# Altium PCB DRS4-PCB.PcbDoc (part 6 of 15) (continued)
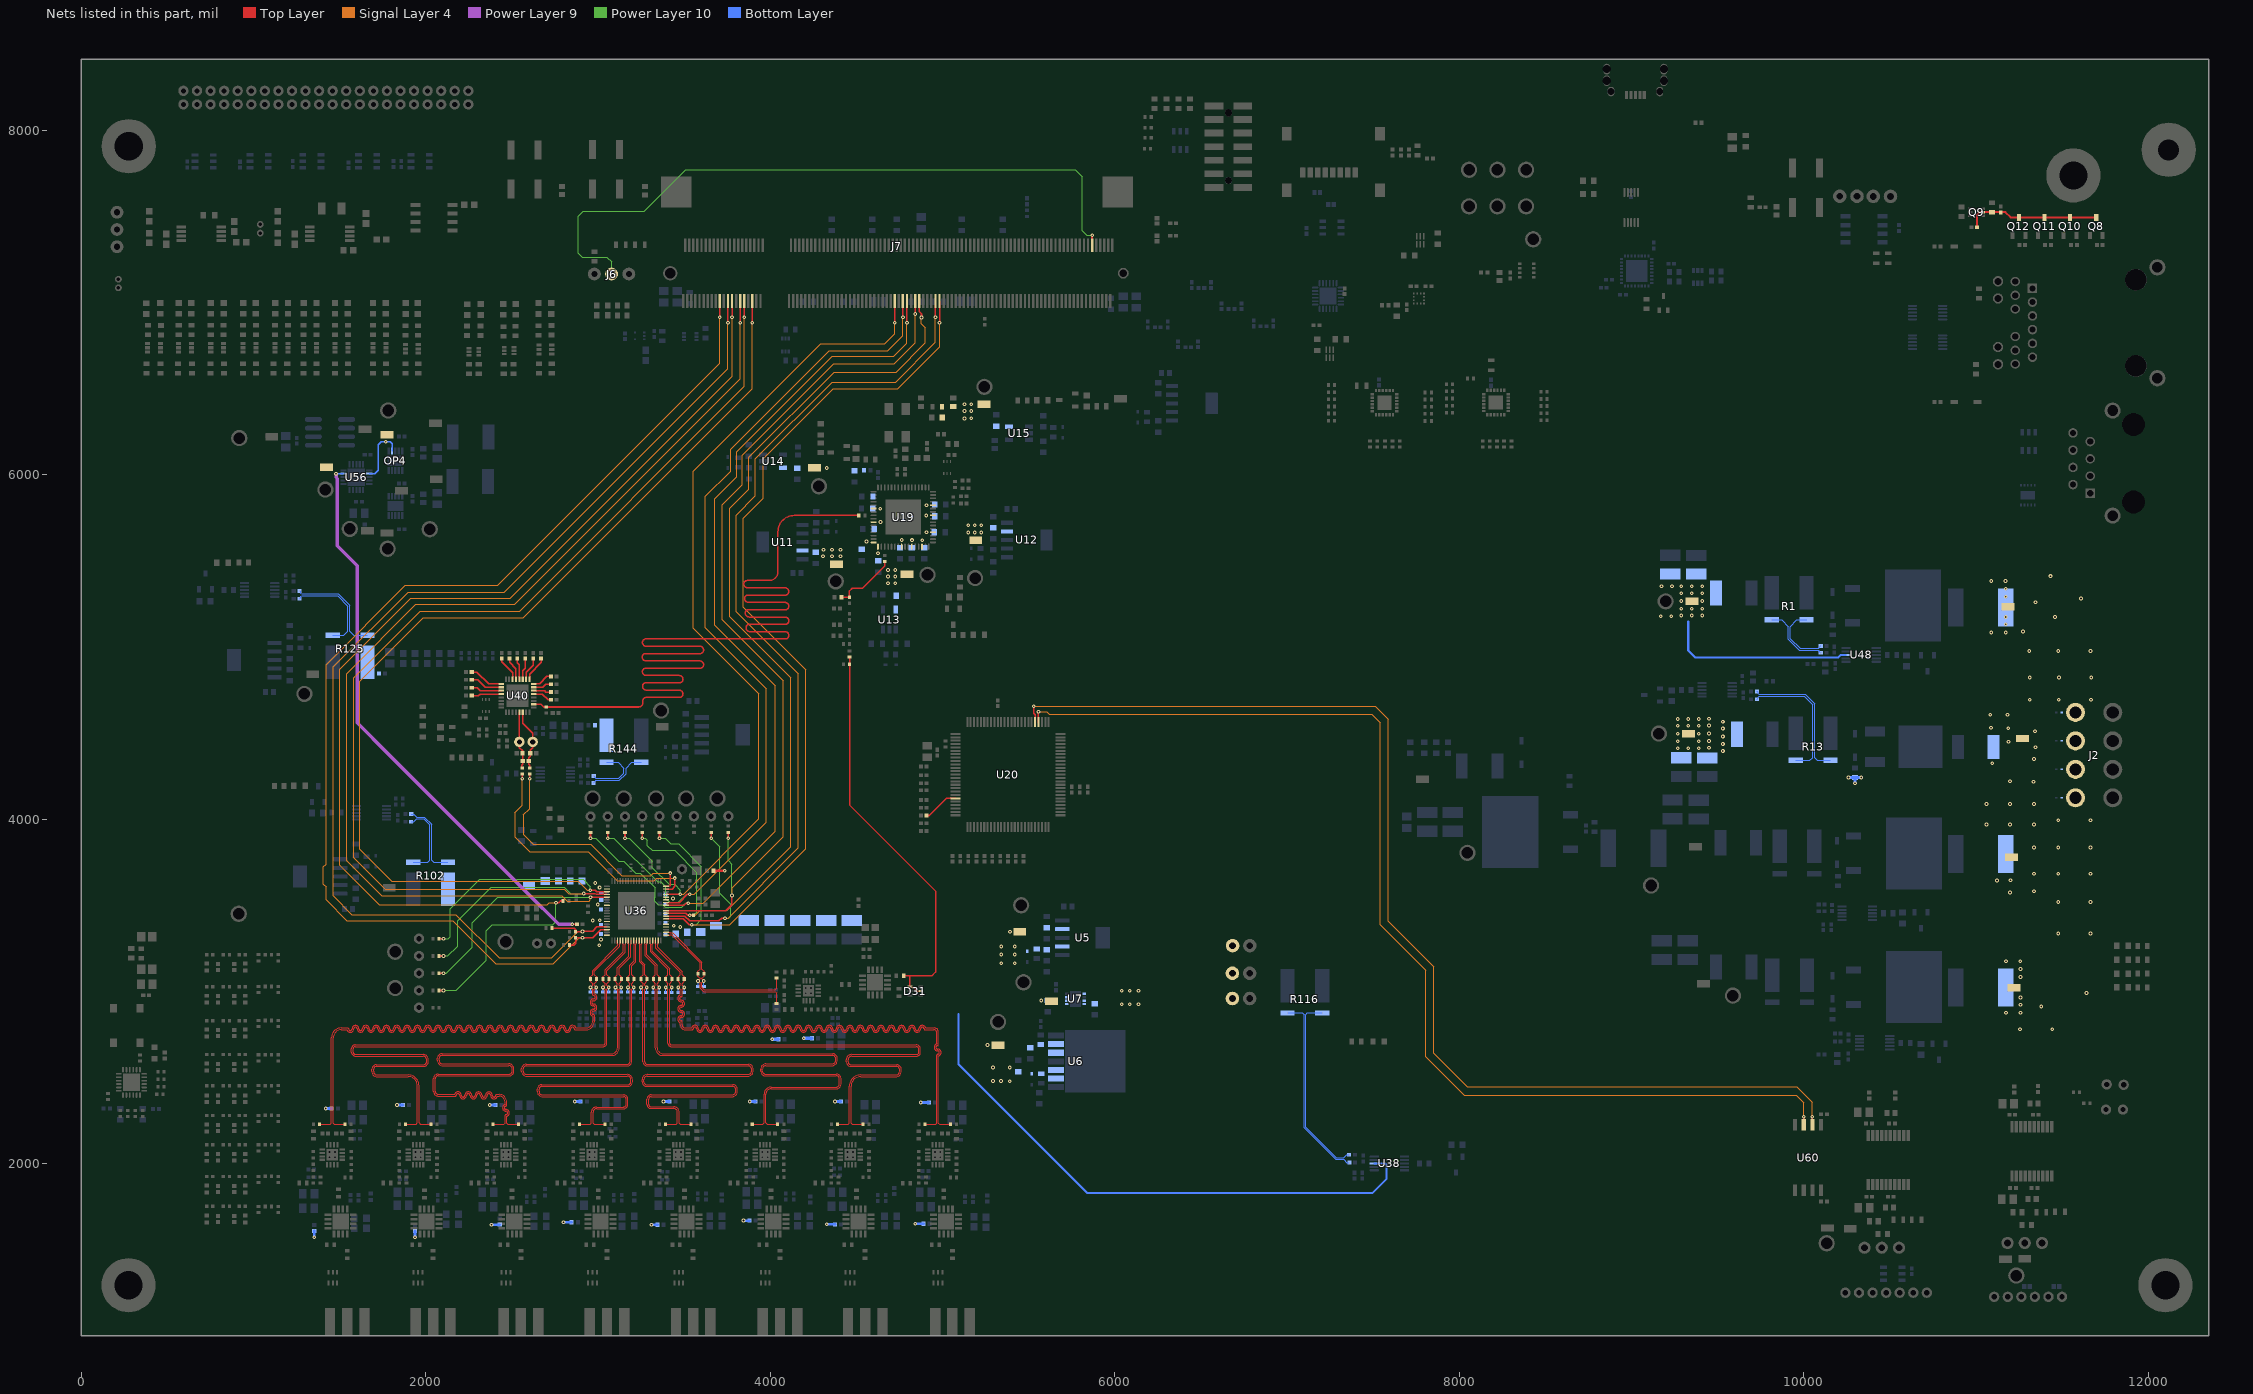
[diagram p16: the nets of this part, all layers, seen from the top]
## Nets (pads, with @x,y where several pads share a name; then routed paths per layer and width w, separated by ;. In a path a pad name is that pad's centre, name@x,y a point inside that pad or via, vN(x,y) a via of type N, cw(c..) or ccw(c..) an arc to the next point about the centre after c; other vN are vias at no path point) (continued)
  Signal Layer 4 w6.12: v1(2908.94,3348.39) 2884.25,3348.39 2730.63,3194.76 2425.91,3194.76 2174.05,3446.63 1570.56,3446.63 1462.94,3554.25 1462.94,4884.1 1896.43,5317.59 2454.78,5317.59 3753.68,6616.5 v1(3753.68,6881.89)
DRS4_IN0_N: R161A.2 R167A.2 R168.2 U36.4 | length 3537.9
  Top Layer w5: R161A.2@1530.79,2229.13 1467.13,2229.13 1461.52,2234.75 1461.52,2730.78 cw(c1508.7,2730.78) 1508.7,2777.96 1541.83,2777.96 ccw(c1561.2,2782.96) 1581.2,2782.96 cw(c1591.2,2782.96) 1601.2,2782.96 ccw(c1621.2,2782.96) 1641.2,2782.96 cw(c1651.2,2782.96) 1661.2,2782.96 ccw(c1681.2,2782.96) 1701.2,2782.96 cw(c1711.2,2782.96) 1721.2,2782.96 ccw(c1741.2,2782.96) 1761.2,2782.96 cw(c1771.2,2782.96) 1781.2,2782.96 ccw(c1801.2,2782.96) 1821.2,2782.96 cw(c1831.2,2782.96) 1841.2,2782.96 ccw(c1861.2,2782.96) 1881.2,2782.96 cw(c1891.2,2782.96) 1901.2,2782.96 ccw(c1921.2,2782.96) 1941.2,2782.96 cw(c1951.2,2782.96) 1961.2,2782.96 ccw(c1981.2,2782.96) 2001.2,2782.96 cw(c2011.2,2782.96) 2021.2,2782.96 ccw(c2041.2,2782.96) 2061.2,2782.96 cw(c2071.2,2782.96) 2081.2,2782.96 ccw(c2101.2,2782.96) 2121.2,2782.96 cw(c2131.2,2782.96) 2141.2,2782.96 ccw(c2161.2,2782.96) 2181.2,2782.96 cw(c2191.2,2782.96) 2201.2,2782.96 ccw(c2221.2,2782.96) 2241.2,2782.96 cw(c2251.2,2782.96) 2261.2,2782.96 ccw(c2281.2,2782.96) 2301.2,2782.96 cw(c2311.2,2782.96) 2321.2,2782.96 ccw(c2341.2,2782.96) 2361.2,2782.96 cw(c2371.2,2782.96) 2381.2,2782.96 ccw(c2401.2,2782.96) 2421.2,2782.96 cw(c2431.2,2782.96) 2441.2,2782.96 ccw(c2461.2,2782.96) 2481.2,2782.96 cw(c2491.2,2782.96) 2501.2,2782.96 ccw(c2521.2,2782.96) 2541.2,2782.96 cw(c2551.2,2782.96) 2561.2,2782.96 ccw(c2581.2,2782.96) 2601.2,2782.96 cw(c2611.2,2782.96) 2621.2,2782.96 ccw(c2641.2,2782.96) 2661.2,2782.96 cw(c2671.2,2782.96) 2681.2,2782.96 ccw(c2701.2,2782.96) 2721.2,2782.96 cw(c2731.2,2782.96) 2741.2,2782.96 ccw(c2761.2,2782.96) 2781.2,2782.96 cw(c2791.2,2782.96) 2801.2,2782.96 ccw(c2821.2,2782.96) 2841.2,2782.96 cw(c2851.2,2782.96) 2861.2,2782.96 ccw(c2866.2,2782.96) 2866.2,2777.96 2931,2777.96 ccw(c2931,2824.8) 2977.83,2824.8 2977.83,2861.47 ccw(c2972.83,2861.47) 2972.83,2866.47 cw(c2972.83,2876.47) 2972.83,2886.47 ccw(c2972.83,2906.47) 2992.83,2906.47 ccw(c2972.83,2906.47) 2972.83,2926.47 cw(c2972.83,2936.47) 2972.83,2946.47 ccw(c2972.83,2966.47) 2992.83,2966.47 ccw(c2972.83,2966.47) 2977.83,2985.84 2977.83,3011.69 v1(2989.76,3023.62) 2977.88,3035.5 2977.88,3046.16 2990.6,3058.88 R168.2@2990.6,3072.2 2990.6,3085.53 2977.88,3098.25 2977.88,3116.05 3125.17,3263.33 3125.17,3273.46 3128.04,3276.33 U36.4@3128.04,3296.55
  Bottom Layer w6.73: R167A.2@2989.75,2996.49 v1(2989.76,3023.62)
DRS4_IN0_P: R160A.2 R166A.2 R168.1 U36.3 | length 3532.3
  Top Layer w5: R160A.2@1382.24,2229.13 1445.9,2229.13 1451.52,2234.75 1451.52,2730.78 cw(c1508.7,2730.78) 1508.7,2787.96 1546.2,2787.96 cw(c1546.2,2782.96) 1551.2,2782.96 ccw(c1561.2,2782.96) 1571.2,2782.96 cw(c1591.2,2782.96) 1611.2,2782.96 ccw(c1621.2,2782.96) 1631.2,2782.96 cw(c1651.2,2782.96) 1671.2,2782.96 ccw(c1681.2,2782.96) 1691.2,2782.96 cw(c1711.2,2782.96) 1731.2,2782.96 ccw(c1741.2,2782.96) 1751.2,2782.96 cw(c1771.2,2782.96) 1791.2,2782.96 ccw(c1801.2,2782.96) 1811.2,2782.96 cw(c1831.2,2782.96) 1851.2,2782.96 ccw(c1861.2,2782.96) 1871.2,2782.96 cw(c1891.2,2782.96) 1911.2,2782.96 ccw(c1921.2,2782.96) 1931.2,2782.96 cw(c1951.2,2782.96) 1971.2,2782.96 ccw(c1981.2,2782.96) 1991.2,2782.96 cw(c2011.2,2782.96) 2031.2,2782.96 ccw(c2041.2,2782.96) 2051.2,2782.96 cw(c2071.2,2782.96) 2091.2,2782.96 ccw(c2101.2,2782.96) 2111.2,2782.96 cw(c2131.2,2782.96) 2151.2,2782.96 ccw(c2161.2,2782.96) 2171.2,2782.96 cw(c2191.2,2782.96) 2211.2,2782.96 ccw(c2221.2,2782.96) 2231.2,2782.96 cw(c2251.2,2782.96) 2271.2,2782.96 ccw(c2281.2,2782.96) 2291.2,2782.96 cw(c2311.2,2782.96) 2331.2,2782.96 ccw(c2341.2,2782.96) 2351.2,2782.96 cw(c2371.2,2782.96) 2391.2,2782.96 ccw(c2401.2,2782.96) 2411.2,2782.96 cw(c2431.2,2782.96) 2451.2,2782.96 ccw(c2461.2,2782.96) 2471.2,2782.96 cw(c2491.2,2782.96) 2511.2,2782.96 ccw(c2521.2,2782.96) 2531.2,2782.96 cw(c2551.2,2782.96) 2571.2,2782.96 ccw(c2581.2,2782.96) 2591.2,2782.96 cw(c2611.2,2782.96) 2631.2,2782.96 ccw(c2641.2,2782.96) 2651.2,2782.96 cw(c2671.2,2782.96) 2691.2,2782.96 ccw(c2701.2,2782.96) 2711.2,2782.96 cw(c2731.2,2782.96) 2751.2,2782.96 ccw(c2761.2,2782.96) 2771.2,2782.96 cw(c2791.2,2782.96) 2811.2,2782.96 ccw(c2821.2,2782.96) 2831.2,2782.96 cw(c2851.2,2782.96) 2870.56,2787.96 2926.86,2787.96 ccw(c2926.86,2828.94) 2967.83,2828.94 2967.83,2857.11 cw(c2972.83,2876.47) 2972.83,2896.47 ccw(c2972.83,2906.47) 2982.83,2906.47 ccw(c2972.83,2906.47) 2972.83,2916.47 cw(c2972.83,2936.47) 2972.83,2956.47 ccw(c2972.83,2966.47) 2982.83,2966.47 ccw(c2972.83,2966.47) 2972.83,2976.47 cw(c2972.83,2981.47) 2967.83,2981.47 2967.83,3011.69 v1(2955.91,3023.62) 2967.88,3035.6 2967.88,3046.16 2955.17,3058.88 R168.1@2955.17,3072.2 2955.17,3085.53 2967.88,3098.25 2967.88,3120.19 3115.17,3267.47 3115.17,3273.46 3112.29,3276.33 U36.3@3112.29,3296.55
  Bottom Layer w6.73: R166A.2@2955.9,2996.31 v1@2955.9,3019.58
DRS4_IN1_N: R161B.2 R167B.2 R169.2 U36.6 | length 3625.1
  Top Layer w5: 1589.72,2679.63 ccw(c1589.72,2667.18) 1577.27,2667.18 1577.27,2648.49 ccw(c1591.45,2648.49) 1591.45,2634.31 1983.78,2634.31 cw(c1983.78,2604.28) 2013.8,2604.28 2013.8,2592.24 cw(c1986.47,2592.24) 1986.47,2564.91 1713.23,2564.91 ccw(c1713.23,2547.57) 1695.9,2547.57 1695.9,2535.53 ccw(c1715.92,2535.53) 1715.92,2515.51 1898.52,2515.51 cw(c1898.52,2453.73) 1960.3,2453.73 1960.3,2236.73 1967.89,2229.13 R161B.2@2029.61,2229.13 ; 1590.27,2679.63 3029.79,2679.63 ccw(c3029.79,2700.08) 3050.24,2700.08 3050.24,3011.69 v1(3062.17,3023.62) 3050.36,3035.43 3050.36,3046.16 3063.07,3058.88 R169.2@3063.07,3072.2 3063.07,3085.53 3050.24,3098.37 3050.24,3120.83 3156.66,3227.25 3156.66,3273.46 3159.54,3276.33 U36.6@3159.54,3296.55
  Bottom Layer w6.73: R167B.2@3062.16,2996.09 v1@3062.16,3019.36
DRS4_IN1_P: R160B.2 R166B.2 R169.1 U36.5 | length 3625.1
  Top Layer w5: 1589.72,2689.63 ccw(c1589.72,2667.18) 1567.27,2667.18 1567.27,2648.49 ccw(c1591.45,2648.49) 1591.45,2624.31 1983.78,2624.31 cw(c1983.78,2604.28) 2003.8,2604.28 2003.8,2592.24 cw(c1986.47,2592.24) 1986.47,2574.91 1713.23,2574.91 ccw(c1713.23,2547.57) 1685.9,2547.57 1685.9,2535.53 ccw(c1715.92,2535.53) 1715.92,2505.51 1898.52,2505.51 cw(c1898.52,2453.73) 1950.3,2453.73 1950.3,2236.73 1942.7,2229.13 R160B.2@1880.98,2229.13 ; 1590.27,2689.63 3029.79,2689.63 ccw(c3029.79,2700.08) 3040.24,2700.08 3040.24,3011.69 v1(3028.31,3023.62) 3040.36,3035.67 3040.36,3046.16 3027.64,3058.88 R169.1@3027.64,3072.2 3027.64,3085.53 3040.24,3098.13 3040.24,3124.97 3056.06,3140.8 3146.66,3231.39 3146.66,3273.46 3143.79,3276.33 U36.5@3143.79,3296.55
  Bottom Layer w6.73: R166B.2@3028.3,2996.09 v1@3028.3,3019.36
DRS4_IN2_N: R161C.2 R167C.2 R184.2 U36.8 | length 3630.9
  Top Layer w5: 2483.35,2510.15 2071.31,2510.15 ccw(c2071.31,2492.82) 2053.98,2492.82 2053.98,2421.81 ccw(c2074,2421.81) 2074,2401.79 2166.61,2401.79 cw(c2185.98,2396.79) 2205.98,2396.79 ccw(c2215.98,2396.79) 2225.98,2396.79 cw(c2245.98,2396.79) 2265.98,2396.79 ccw(c2275.98,2396.79) 2285.98,2396.79 cw(c2305.98,2396.79) 2325.98,2396.79 ccw(c2335.98,2396.79) 2345.98,2396.79 cw(c2365.98,2396.79) 2385.98,2396.79 ccw(c2395.98,2396.79) 2405.98,2396.79 cw(c2410.98,2396.79) 2410.98,2401.79 2426.8,2401.79 cw(c2426.8,2358.98) 2469.61,2358.98 2469.61,2340 cw(c2464.61,2340) 2464.61,2335 ccw(c2464.61,2325) 2464.61,2315 cw(c2464.61,2295) 2484.61,2295 cw(c2464.61,2295) 2469.61,2275.64 2469.61,2235.87 2476.07,2229.41 R161C.2@2538.78,2229.41 ; 2483.82,2510.15 ccw(c2483.82,2537.49) 2511.15,2537.49 2511.15,2549.53 ccw(c2481.13,2549.53) 2481.13,2579.55 2096.77,2579.55 cw(c2096.77,2599.57) 2076.75,2599.57 2076.75,2611.61 cw(c2094.08,2611.61) 2094.08,2628.95 3080.36,2628.95 ccw(c3080.36,2671.23) 3122.64,2671.23 ; 3122.64,2672.18 3122.64,3012.8 3133.46,3023.62 3121.81,3035.28 3121.81,3046.16 3134.52,3058.88 R184.2@3134.52,3072.2 3134.52,3085.53 3121.81,3098.25 3121.81,3134.36 3188.16,3200.71 3188.16,3273.46 3191.03,3276.33 U36.8@3191.03,3296.55
  Bottom Layer w6.73: R167C.2@3134.56,2996.09 v1@3134.56,3019.36
  other v1: 3134.57,3023.62
DRS4_IN2_P: R160C.2 R166C.2 R184.1 U36.7 | length 3635.6
  Top Layer w5: R160C.2@2390.43,2229.13 2452.87,2229.13 2459.61,2235.87 2459.61,2280 cw(c2464.61,2280) 2464.61,2285 ccw(c2464.61,2295) 2474.61,2295 ccw(c2464.61,2295) 2464.61,2305 cw(c2464.61,2325) 2459.61,2344.37 2459.61,2358.98 ccw(c2426.8,2358.98) 2426.8,2391.79 2415.34,2391.79 cw(c2395.98,2396.79) 2375.98,2396.79 ccw(c2365.98,2396.79) 2355.98,2396.79 cw(c2335.98,2396.79) 2315.98,2396.79 ccw(c2305.98,2396.79) 2295.98,2396.79 cw(c2275.98,2396.79) 2255.98,2396.79 ccw(c2245.98,2396.79) 2235.98,2396.79 cw(c2215.98,2396.79) 2195.98,2396.79 ccw(c2185.98,2396.79) 2175.98,2396.79 cw(c2170.98,2396.79) 2170.98,2391.79 2074,2391.79 cw(c2074,2421.81) 2043.98,2421.81 2043.98,2492.82 cw(c2071.31,2492.82) 2071.31,2520.15 2483.82,2520.15 ccw(c2483.82,2537.49) 2501.15,2537.49 2501.15,2549.53 ccw(c2481.13,2549.53) 2481.13,2569.55 2096.77,2569.55 cw(c2096.77,2599.57) 2066.75,2599.57 2066.75,2611.61 cw(c2094.08,2611.61) 2094.08,2638.95 3077.53,2638.95 ccw(c3077.53,2674.06) 3112.64,2674.06 3112.64,3011.69 v1(3100.71,3023.62) 3111.81,3034.72 3111.81,3046.16 3099.09,3058.88 R184.1@3099.09,3072.2 3099.09,3085.53 3111.81,3098.25 3111.81,3138.5 3123.22,3149.92 3178.16,3204.85 3178.16,3273.46 3175.28,3276.33 U36.7@3175.28,3296.55
  Bottom Layer w6.73: R166C.2@3100.7,2996.17 v1(3100.71,3023.62)
DRS4_IN3_N: R161D.2 R167D.2 R185.2 U36.10 | length 3617.7
  Top Layer w5: 2676.76,2399.37 cw(c2676.76,2419.4) 2656.74,2419.4 2656.74,2431.44 cw(c2674.07,2431.44) 2673.99,2448.77 3172.45,2448.77 ccw(c3172.45,2476.11) 3199.79,2476.11 3199.79,2488.15 ccw(c3169.76,2488.15) 3169.76,2518.17 2584.5,2518.17 cw(c2584.5,2538.19) 2564.48,2538.19 2564.48,2550.23 cw(c2581.81,2550.23) 2581.81,2567.57 3169.75,2567.57 ccw(c3169.75,2592.86) 3195.04,2592.86 3195.04,3011.69 v1(3206.97,3023.62) 3194.7,3035.89 3194.7,3046.16 3207.41,3058.88 R185.2@3207.41,3072.2 3207.41,3085.53 3194.7,3098.25 3194.7,3147.96 3219.65,3172.91 3219.65,3273.46 3222.53,3276.33 U36.10@3222.53,3296.55 ; 2677.27,2399.37 3147.36,2399.37 cw(c3147.36,2374.22) 3172.52,2374.22 3172.52,2344.32 cw(c3147.36,2344.32) 3147.36,2319.17 2990.62,2319.17 ccw(c2990.62,2299.22) 2970.67,2299.22 2970.67,2235.03 2976.57,2229.13 R161D.2@3040.75,2229.13
  Bottom Layer w6.73: R167D.2@3206.96,2996.09 v1@3206.96,3019.36
DRS4_IN3_P: R160D.2 R166D.2 R185.1 U36.9 | length 3619.5
  Top Layer w5: 2581.81,2508.17 2584.5,2508.17 ; 2674,2458.77 3171.85,2458.77 ; 2674.06,2458.77 ccw(c2674.07,2431.44) 2646.74,2431.44 2646.74,2419.4 ccw(c2676.76,2419.4) 2676.76,2389.37 ; 2677.41,2389.37 3147.36,2389.37 cw(c3147.36,2374.22) 3162.52,2374.22 3162.52,2344.32 cw(c3147.36,2344.32) 3147.36,2329.17 2990.62,2329.17 ccw(c2990.62,2299.22) 2960.67,2299.22 2960.67,2235.03 2954.77,2229.13 R160D.2@2890.59,2229.13 ; 3172.45,2458.77 ccw(c3172.45,2476.11) 3189.79,2476.11 3189.79,2488.15 ccw(c3169.76,2488.15) 3169.76,2508.17 2584.5,2508.17 ; U36.9@3206.78,3296.55 3206.78,3276.33 3209.65,3273.46 3209.65,3177.06 3192.2,3159.61 3184.7,3152.1 3184.7,3098.25 3171.98,3085.53 R185.1@3171.98,3072.2 3171.98,3058.88 3184.7,3046.16 3184.7,3035.21 v1(3173.11,3023.62) 3185.04,3011.69 3185.04,2592.86 cw(c3169.75,2592.86) 3169.75,2577.57 2581.81,2577.57 ccw(c2581.81,2550.23) 2554.48,2550.23 2554.48,2538.19 ccw(c2584.5,2538.19) 2584.5,2508.17
  Bottom Layer w6.73: R166D.2@3173.1,2996.09 v1@3173.1,3019.36
DRS4_IN4_N: R161E.2 R167E.2 R345.2 U36.12 | length 3591.5
  Top Layer w5: U36.12@3254.02,3296.55 3254.02,3276.33 3251.15,3273.46 3251.15,3175.74 3270.47,3156.42 3270.47,3098.25 3283.18,3085.53 R345.2@3283.18,3072.2 3283.18,3058.88 3270.47,3046.16 3270.47,3035.08 v1(3281.93,3023.62) 3270,3011.69 3270,2592.86 ccw(c3285.29,2592.86) 3285.29,2577.57 3873.23,2577.57 cw(c3873.23,2550.23) 3900.56,2550.23 3900.56,2538.19 cw(c3870.54,2538.19) 3870.54,2508.17 ; 3282.59,2458.77 cw(c3282.59,2476.11) 3265.25,2476.11 3265.25,2488.15 cw(c3285.28,2488.15) 3285.28,2508.17 3870.54,2508.17 ; 3283.19,2458.77 3781.04,2458.77 ; R161E.2@3539.41,2229.13 3476.5,2229.13 3470.24,2235.4 3470.24,2299.96 ccw(c3439.62,2299.96) 3439.62,2330.58 3307.67,2330.58 cw(c3307.67,2345.73) 3292.52,2345.73 3292.52,2374.22 cw(c3307.67,2374.22) 3307.67,2389.37 3777.63,2389.37 ; 3778.28,2389.37 ccw(c3778.28,2419.4) 3808.3,2419.4 3808.3,2431.44 ccw(c3780.97,2431.44) 3780.98,2458.77 ; 3873.23,2508.17 3870.54,2508.17
  Bottom Layer w6.73: R167E.2@3281.92,2994.01 v1@3281.92,3017.27
DRS4_IN4_P: R160E.2 R166E.2 R345.1 U36.11 | length 3589.8
  Top Layer w5: U36.11@3238.28,3296.55 3238.28,3276.33 3241.15,3273.46 3241.15,3171.6 3260.47,3152.28 3260.47,3098.25 3247.75,3085.53 R345.1@3247.75,3072.2 3247.75,3058.88 3260.47,3046.16 3260.47,3035.62 v1(3248.46,3023.62) ; v1@3248.07,3023.62 3260,3011.69 3260,2592.86 ccw(c3285.29,2592.86) 3285.29,2567.57 3873.23,2567.57 cw(c3873.23,2550.23) 3890.56,2550.23 3890.56,2538.19 cw(c3870.54,2538.19) 3870.54,2518.17 3285.28,2518.17 ccw(c3285.28,2488.15) 3255.25,2488.15 3255.25,2476.11 ccw(c3282.59,2476.11) 3282.59,2448.77 3781.04,2448.77 cw(c3780.97,2431.44) 3798.3,2431.44 3798.3,2419.4 cw(c3778.28,2419.4) 3778.28,2399.37 ; R160E.2@3391.06,2229.13 3453.97,2229.13 3460.24,2235.4 3460.24,2299.96 ccw(c3439.62,2299.96) 3439.62,2320.58 3307.67,2320.58 cw(c3307.67,2345.73) 3282.52,2345.73 3282.52,2374.22 cw(c3307.67,2374.22) 3307.67,2399.37 3777.77,2399.37
  Bottom Layer w6.73: R166E.2@3248.46,2995.23 v1@3248.46,3018.5
DRS4_IN5_N: R161F.2 R167F.2 R346.2 U36.14 | length 3487.1
  Top Layer w5: U36.14@3285.52,3296.55 3285.52,3276.33 3282.65,3273.46 3282.65,3212.67 3342.8,3152.52 3342.8,3098.25 3355.51,3085.53 R346.2@3355.51,3072.2 3355.51,3058.88 3342.8,3046.16 3342.8,3035.16 v1(3354.33,3023.62) 3342.4,3011.69 3342.4,2674.06 ccw(c3377.51,2674.06) 3377.51,2638.95 4360.95,2638.95 cw(c4360.95,2611.61) 4388.29,2611.61 4388.29,2599.57 cw(c4358.27,2599.57) 4358.27,2569.55 3973.91,2569.55 ccw(c3973.91,2549.53) 3953.89,2549.53 3953.89,2537.49 ccw(c3971.22,2537.49) 3971.22,2520.15 ; 3971.79,2520.15 4383.73,2520.15 cw(c4383.73,2492.82) 4411.06,2492.82 4411.06,2464.99 cw(c4381.04,2464.99) 4381.04,2434.97 4005.24,2434.97 ccw(c4005.24,2403.25) 3973.52,2403.25 3973.52,2236.75 3981.14,2229.13 R161F.2@4042.48,2229.13
  Bottom Layer w6.73: R167F.2@3354.32,2995.23 v1(3354.33,3023.62)
DRS4_IN5_P: R160F.2 R166F.2 R346.1 U36.13 | length 3483.2
  Top Layer w5: U36.13@3269.77,3296.55 3269.77,3276.33 3272.65,3273.46 3272.65,3208.53 3332.8,3148.38 3332.8,3098.25 3320.08,3085.53 R346.1@3320.08,3072.2 3320.08,3058.88 3332.8,3046.16 3332.8,3035.95 v1(3320.47,3023.62) ; v1@3321.58,3023.62 3332.4,3012.8 3332.4,2672.18 ; 3332.4,2671.23 ccw(c3374.68,2671.23) 3374.68,2628.95 4360.95,2628.95 cw(c4360.95,2611.61) 4378.29,2611.61 4378.29,2599.57 cw(c4358.27,2599.57) 4358.27,2579.55 3973.91,2579.55 ccw(c3973.91,2549.53) 3943.89,2549.53 3943.89,2537.49 ccw(c3971.22,2537.49) 3971.22,2510.15 ; 3332.4,2673.09 3332.4,2674.06 ; R160F.2@3894.57,2229.13 3955.9,2229.13 3963.52,2236.75 3963.52,2403.25 cw(c4005.24,2403.25) 4005.24,2444.97 4381.04,2444.97 ccw(c4381.04,2464.99) 4401.06,2464.99 4401.06,2492.82 ccw(c4383.73,2492.82) 4383.73,2510.15 3971.69,2510.15
  Bottom Layer w6.73: R166F.2@3320.46,2994.01 v1@3320.46,3017.27
DRS4_IN6_N: R161G.2 R167G.2 R347.2 U36.16 | length 3609
  Top Layer w5: U36.16@3317.02,3296.55 3317.02,3276.33 3314.14,3273.46 3314.14,3233.33 3414.92,3132.55 3414.92,3098.25 3427.64,3085.53 R347.2@3427.64,3072.2 3427.64,3058.88 3414.92,3046.16 3414.92,3035.43 v1(3426.73,3023.62) 3414.8,3011.69 3414.8,2700.07 ccw(c3425.25,2700.07) 3425.25,2689.63 4846.84,2689.63 ; R161G.2@4537.28,2229.13 4473.89,2229.13 4468.33,2234.7 4468.33,2449.32 cw(c4524.51,2449.32) 4524.51,2505.5 4729.62,2505.5 ; 4732.31,2505.5 4729.62,2505.5 ; 4847.03,2689.63 cw(c4847.03,2665.44) 4871.22,2665.44 4871.22,2646.75 cw(c4848.76,2646.75) 4848.76,2624.3 4471.26,2624.3 ccw(c4471.26,2604.27) 4451.24,2604.27 4451.24,2592.23 ccw(c4468.57,2592.23) 4468.57,2574.9 4732.31,2574.9 cw(c4732.31,2547.56) 4759.65,2547.56 4759.65,2535.52 cw(c4729.62,2535.52) 4729.62,2505.5
  Bottom Layer w6.73: R167G.2@3426.72,2994.01 v1@3426.72,3017.27
DRS4_IN6_P: R160G.2 R166G.2 R347.1 U36.15 | length 3612.3
  Top Layer w5: U36.15@3301.27,3296.55 3301.27,3276.33 3304.14,3273.46 3304.14,3229.18 3404.92,3128.41 3404.92,3098.25 3392.2,3085.53 R347.1@3392.2,3072.2 3392.2,3058.88 3404.92,3046.16 3404.92,3035.67 v1(3392.87,3023.62) 3404.8,3011.69 3404.8,2700.07 ccw(c3425.25,2700.07) 3425.25,2679.63 4846.84,2679.63 ; R160G.2@4389.37,2229.13 4452.76,2229.13 4458.33,2234.7 4458.33,2449.32 ; 4847.03,2679.63 cw(c4847.03,2665.44) 4861.22,2665.44 4861.22,2646.75 cw(c4848.76,2646.75) 4848.76,2634.3 4471.26,2634.3 ccw(c4471.26,2604.27) 4441.24,2604.27 4441.24,2592.23 ccw(c4468.57,2592.23) 4468.57,2564.9 4732.31,2564.9 cw(c4732.31,2547.56) 4749.65,2547.56 4749.65,2535.52 cw(c4729.62,2535.52) 4729.62,2515.5 4524.51,2515.5 ccw(c4524.51,2449.32) 4458.33,2450.05 ; 4458.33,2449.32 cw(c4524.51,2449.32) 4458.33,2450.05 ; 4458.33,2449.32 4458.33,2450.05
  Bottom Layer w6.73: R166G.2@3392.86,2995.23 v1(3392.87,3023.62)
DRS4_IN7_N: R161H.2 R167H.2 R348.2 U36.18 | length 3597.4
  Top Layer w5: U36.18@3348.51,3296.55 3348.51,3276.33 3345.64,3273.46 3345.64,3255.69 3487.05,3114.28 3487.05,3098.25 3499.77,3085.53 R348.2@3499.77,3072.2 3499.77,3058.88 3487.05,3046.16 3487.05,3035.7 v1(3499.13,3023.62) 3487.2,3011.69 3487.2,2974.19 cw(c3482.2,2974.19) 3482.2,2969.19 ccw(c3482.2,2959.19) 3482.2,2949.19 cw(c3482.2,2929.19) 3502.2,2929.19 cw(c3482.2,2929.19) 3482.2,2909.19 ccw(c3482.2,2899.19) 3482.2,2889.19 cw(c3482.2,2869.19) 3502.2,2869.19 cw(c3482.2,2869.19) 3482.2,2849.19 ccw(c3482.2,2839.19) 3482.2,2829.19 cw(c3482.2,2824.19) 3487.2,2824.19 3487.2,2807.6 ccw(c3506.85,2807.6) 3506.85,2787.95 3542.47,2787.95 ; 3542.47,2787.95 cw(c3561.84,2782.95) 3581.84,2782.95 ccw(c3591.84,2782.95) 3601.84,2782.95 cw(c3621.84,2782.95) 3641.84,2782.95 ccw(c3651.84,2782.95) 3661.84,2782.95 cw(c3681.84,2782.95) 3701.84,2782.95 ccw(c3711.84,2782.95) 3721.84,2782.95 cw(c3741.84,2782.95) 3761.84,2782.95 ccw(c3771.84,2782.95) 3781.84,2782.95 cw(c3801.84,2782.95) 3821.84,2782.95 ccw(c3831.84,2782.95) 3841.84,2782.95 cw(c3861.84,2782.95) 3881.84,2782.95 ccw(c3891.84,2782.95) 3901.84,2782.95 cw(c3921.84,2782.95) 3941.84,2782.95 ccw(c3951.84,2782.95) 3961.84,2782.95 cw(c3981.84,2782.95) 4001.84,2782.95 ccw(c4011.84,2782.95) 4021.84,2782.95 cw(c4041.84,2782.95) 4061.84,2782.95 ccw(c4071.84,2782.95) 4081.84,2782.95 cw(c4101.84,2782.95) 4121.84,2782.95 ccw(c4131.84,2782.95) 4141.84,2782.95 cw(c4161.84,2782.95) 4181.84,2782.95 ccw(c4191.84,2782.95) 4201.84,2782.95 cw(c4221.84,2782.95) 4241.84,2782.95 ccw(c4251.84,2782.95) 4261.84,2782.95 cw(c4281.84,2782.95) 4301.84,2782.95 ccw(c4311.84,2782.95) 4321.84,2782.95 cw(c4341.84,2782.95) 4361.84,2782.95 ccw(c4371.84,2782.95) 4381.84,2782.95 cw(c4401.84,2782.95) 4421.84,2782.95 ccw(c4431.84,2782.95) 4441.84,2782.95 cw(c4461.84,2782.95) 4481.84,2782.95 ccw(c4491.84,2782.95) 4501.84,2782.95 cw(c4521.84,2782.95) 4541.84,2782.95 ccw(c4551.84,2782.95) 4561.84,2782.95 cw(c4581.84,2782.95) 4601.84,2782.95 ccw(c4611.84,2782.95) 4621.84,2782.95 cw(c4641.84,2782.95) 4661.84,2782.95 ccw(c4671.84,2782.95) 4681.84,2782.95 cw(c4701.84,2782.95) 4721.84,2782.95 ccw(c4731.84,2782.95) 4741.84,2782.95 cw(c4761.84,2782.95) 4781.84,2782.95 ccw(c4791.84,2782.95) 4801.84,2782.95 cw(c4821.84,2782.95) 4841.84,2782.95 ccw(c4851.84,2782.95) 4861.84,2782.95 cw(c4881.84,2782.95) 4901.2,2787.95 4952.32,2787.95 cw(c4952.32,2764.43) 4975.85,2764.43 4975.85,2731.66 4975.85,2690.59 cw(c4970.85,2690.59) 4970.85,2685.59 ccw(c4970.85,2675.59) 4970.85,2665.59 cw(c4970.85,2645.59) 4990.85,2645.59 cw(c4970.85,2645.59) 4975.85,2626.23 4975.85,2235.01 4981.72,2229.13 R161H.2@5044.8,2229.13
  Bottom Layer w6.73: R167H.2@3499.12,2995.23 v1(3499.13,3023.62)
DRS4_IN7_P: R160H.2 R166H.2 R348.1 U36.17 | length 3597.3
  Top Layer w5: U36.17@3332.76,3296.55 3332.76,3276.33 3335.64,3273.46 3335.64,3251.55 3477.05,3110.13 3477.05,3098.25 3464.33,3085.53 R348.1@3464.33,3072.2 3464.33,3058.88 3477.05,3046.16 3477.05,3035.4 v1(3465.28,3023.62) 3477.2,3011.69 3477.2,2978.56 ccw(c3482.2,2959.19) 3482.2,2939.19 cw(c3482.2,2929.19) 3492.2,2929.19 cw(c3482.2,2929.19) 3482.2,2919.19 ccw(c3482.2,2899.19) 3482.2,2879.19 cw(c3482.2,2869.19) 3492.2,2869.19 cw(c3482.2,2869.19) 3482.2,2859.19 ccw(c3482.2,2839.19) 3477.2,2819.83 3477.2,2803.46 ccw(c3502.7,2803.46) 3502.7,2777.95 3546.84,2777.95 ccw(c3546.84,2782.95) 3551.84,2782.95 cw(c3561.84,2782.95) 3571.84,2782.95 ccw(c3591.84,2782.95) 3611.84,2782.95 cw(c3621.84,2782.95) 3631.84,2782.95 ccw(c3651.84,2782.95) 3671.84,2782.95 cw(c3681.84,2782.95) 3691.84,2782.95 ccw(c3711.84,2782.95) 3731.84,2782.95 cw(c3741.84,2782.95) 3751.84,2782.95 ccw(c3771.84,2782.95) 3791.84,2782.95 cw(c3801.84,2782.95) 3811.84,2782.95 ccw(c3831.84,2782.95) 3851.84,2782.95 cw(c3861.84,2782.95) 3871.84,2782.95 ccw(c3891.84,2782.95) 3911.84,2782.95 cw(c3921.84,2782.95) 3931.84,2782.95 ccw(c3951.84,2782.95) 3971.84,2782.95 cw(c3981.84,2782.95) 3991.84,2782.95 ccw(c4011.84,2782.95) 4031.84,2782.95 cw(c4041.84,2782.95) 4051.84,2782.95 ccw(c4071.84,2782.95) 4091.84,2782.95 cw(c4101.84,2782.95) 4111.84,2782.95 ccw(c4131.84,2782.95) 4151.84,2782.95 cw(c4161.84,2782.95) 4171.84,2782.95 ccw(c4191.84,2782.95) 4211.84,2782.95 cw(c4221.84,2782.95) 4231.84,2782.95 ccw(c4251.84,2782.95) 4271.84,2782.95 cw(c4281.84,2782.95) 4291.84,2782.95 ccw(c4311.84,2782.95) 4331.84,2782.95 cw(c4341.84,2782.95) 4351.84,2782.95 ccw(c4371.84,2782.95) 4391.84,2782.95 cw(c4401.84,2782.95) 4411.84,2782.95 ccw(c4431.84,2782.95) 4451.84,2782.95 cw(c4461.84,2782.95) 4471.84,2782.95 ccw(c4491.84,2782.95) 4511.84,2782.95 cw(c4521.84,2782.95) 4531.84,2782.95 ccw(c4551.84,2782.95) 4571.84,2782.95 cw(c4581.84,2782.95) 4591.84,2782.95 ccw(c4611.84,2782.95) 4631.84,2782.95 cw(c4641.84,2782.95) 4651.84,2782.95 ccw(c4671.84,2782.95) 4691.84,2782.95 cw(c4701.84,2782.95) 4711.84,2782.95 ccw(c4731.84,2782.95) 4751.84,2782.95 cw(c4761.84,2782.95) 4771.84,2782.95 ccw(c4791.84,2782.95) 4811.84,2782.95 cw(c4821.84,2782.95) 4831.84,2782.95 ccw(c4851.84,2782.95) 4871.84,2782.95 cw(c4881.84,2782.95) 4891.84,2782.95 ccw(c4896.84,2782.95) 4896.84,2777.95 4948.18,2777.95 cw(c4948.18,2760.29) 4965.85,2760.29 4965.85,2731.66 4965.85,2694.96 ccw(c4970.85,2675.59) 4970.85,2655.59 cw(c4970.85,2645.59) 4980.85,2645.59 cw(c4970.85,2645.59) 4970.85,2635.59 ccw(c4970.85,2630.59) 4965.85,2630.59 4965.85,2235.01 4959.97,2229.13 R160H.2@4896.89,2229.13
  Bottom Layer w6.73: R166H.2@3465.27,2995.23 v1(3465.28,3023.62)
DRS4_IN8_N: R176.2 R183.2 R349.2 U36.21 | length 970.9
  Top Layer w5: U36.21@3394.77,3342.81 3414.99,3342.81 3417.86,3339.93 3432.48,3339.93 3602.14,3170.27 3602.14,3151.7 3602.14,3128.71 3614.86,3115.99 R349.2@3614.86,3102.66 3614.86,3089.34 3602.14,3076.62 3602.14,3072.47 v1(3613.6,3061.01) 3601.88,3049.3 3601.88,3024.01 3616.26,3009.63 4027.82,3009.63 4035.63,3017.45 R176.2@4035.63,3078.1
  Bottom Layer w6.73: R183.2@3613.59,3032.62 v1@3613.59,3054.67
DRS4_IN8_P: R175.2 R182.2 R349.1 U36.20 | length 971.1
  Top Layer w5: U36.20@3394.77,3327.06 3414.99,3327.06 3417.86,3329.93 3428.34,3329.93 3592.14,3166.13 3592.14,3128.71 3579.42,3115.99 R349.1@3579.42,3102.66 3579.42,3089.34 3592.14,3076.62 3592.14,3072.98 v1(3580.17,3061.01) 3591.88,3049.3 3591.88,3019.87 3612.12,2999.63 4027.82,2999.63 4035.63,2991.82 R175.2@4035.63,2931.17
  Bottom Layer w6.73: R182.2@3580.16,3032.62 v1@3580.16,3054.67
DRS4_OUT8_N: R127.1 U36.38 | length 1410.9
  Top Layer w7.8: v1@2602.34,4243.27 R127.1@2602.34,4262.72 ; U36.38@3394.77,3610.52 3413.73,3610.52 3417.88,3614.67 v1(3417.88,3687.02)
  Signal Layer 4 w6: v1(2602.34,4234.94) 2602.34,4061.89 2566.14,4025.69 2566.14,3912.04 2624.11,3854.06 2957.14,3854.06 3138.04,3673.16 3305.32,3673.16 3319.17,3687.02 v1(3417.88,3687.02)
DRS4_OUT8_P: R361.1 U36.37 | length 1523.2
  Top Layer w7.8: v1@2558.66,4243.27 R361.1@2558.66,4262.72 ; U36.37@3394.77,3594.78 3429.6,3594.78 3445.01,3610.18 v1(3445.01,3658) v1@3445.01,3661.67
  Signal Layer 4 w6: v1(2558.66,4234.94) 2558.66,4080.99 2515.55,4037.89 2515.55,3898.32 2601.61,3812.26 2943.06,3812.26 3112.08,3643.24 3326.68,3643.24 3341.43,3658 v1(3445.01,3658)
DRS4_PLLLCK: J7.25 R344.1 R362.1 | length 7010.8
  Top Layer w7.87: v1(3777.3,6913.39) J7.25@3777.29,7008.12
  Top Layer w9.8: v1(2754.92,3515.44) 2771.71,3515.44 2781.67,3525.39 R362.1@2796.39,3525.39
  Top Layer w10: R344.1@2075.85,3006.08 v1(2102.84,3006.08)
  Signal Layer 4 w6.12: v1(2754.92,3515.44) 2714.88,3515.44 2703.97,3504.53 1728.75,3504.53 1501.13,3732.15 1501.13,4871.07 1911.8,5281.73 2488.93,5281.73 3777.3,6570.1 v1(3777.3,6913.39)
  Power Layer 10 w6.88: v1(2102.84,3006.08) 2175.65,3006.08 2350.31,3180.74 2350.31,3353.17 2383.82,3386.68 2736.68,3386.68 2754.92,3404.91 v1(2754.92,3515.44)
DRS4_RSRLOAD: J7.103 R163.1 U36.29 | length 5214.6
  Top Layer w7.87: U36.29@3394.77,3468.79 3741.87,3468.79 3776.75,3503.66 v1(3776.75,3557.52)
  Top Layer w10: v1(3755.91,3889.33) R163.1@3755.91,3923.82 ; v1(4840.44,6933.17) J7.103@4840.44,7007.79
  Signal Layer 4 w6.12: v1@3777.16,3557.52 3777.16,3602.03 4073.21,3898.07 4073.21,3933.36 4073.21,4803.6 3720.34,5156.47 3720.34,5825.33 3835.9,5940.89 3835.9,6114.27 4366.99,6645.35 4719.28,6645.35 4840.44,6766.52 v1(4840.44,6933.17)
  Power Layer 10 w6.88: v1(3755.91,3889.33) 3755.91,3760.72 3776.75,3739.88 v1(3776.75,3557.52)
DRS4_SRCLK: J7.105 R115.1 R312.1 U36.28 | length 5652.6
  Top Layer w7.87: U36.28@3394.77,3453.04 3508.82,3453.04 3519.26,3442.6 R115.1@3553.15,3442.6
  Top Layer w10: v1(3255.91,3889.33) R312.1@3255.91,3923.82 ; J7.105@4864.06,7007.79 4864.06,6947.65 4876.96,6934.75 v1(4876.96,6911.95)
  Signal Layer 4 w6.12: v1@3531.86,3442.11 3563.86,3442.11 3592.91,3471.17 3748.2,3471.17 4118.12,3841.09 4118.12,4822.2 3765.24,5175.07 3765.24,5804.05 3875.46,5914.26 3875.46,6100.12 4370.81,6595.47 4729.36,6595.47 4900.17,6766.28 4900.17,6854.01 4876.96,6877.22 v1(4876.96,6911.95)
  Power Layer 10 w6.88: v1(3255.91,3889.33) 3274.22,3889.33 3284.76,3878.79 3284.76,3846.46 3312.7,3818.51 3443.59,3818.51 3572.39,3689.71 3572.39,3458.82 3556.4,3442.83 v1@3532.11,3442.83
  other v1: 3531.86,3443.07
DRS4_SRIN: J7.113 R315.1 U36.27 | length 5549.8
  Top Layer w7.87: U36.27@3394.77,3437.29 3503.28,3437.29 3530.98,3409.59 3700.16,3409.59 3716.28,3425.72 v1(3735.83,3425.72) ; v1@4958.31,6913.1 v1(4958.31,6913.39) J7.113@4958.3,7008.12
  Top Layer w9.8: v1(3655.91,3889.33) R315.1@3655.91,3923.82
  Signal Layer 4 w6.12: v1(3735.83,3425.72) 3754.27,3425.72 4163.1,3834.55 4163.11,4843.29 3801.18,5205.22 3801.18,5765.08 3912.82,5876.72 3912.82,6091.7 4358.16,6537.04 4726.51,6537.04 4958.31,6768.84 v1(4958.31,6913.39) v1@4958.31,6915.31
  Power Layer 10 w6.88: v1@3656.97,3889.33 3706.71,3839.6 3706.71,3569.37 3770.6,3505.47 3770.6,3437.26 3759.06,3425.72 v1(3735.83,3425.72)
DRS4_SROUT: J7.115 R179.1 U36.26 | length 5750.2
  Top Layer w7.87: U36.26@3394.77,3421.55 3494.83,3421.55 3528.47,3387.91 v1(3543.94,3387.91) ; v1(4981.93,6881.89) 4981.93,6966.1 J7.115@4981.92,7008.12
  Top Layer w10: v1(3355.91,3889.33) R179.1@3355.91,3923.82
  Signal Layer 4 w6.12: v1(3543.94,3387.91) 3763.97,3387.91 4205.88,3829.82 4205.88,4866.52 3841.74,5230.66 3841.74,5748.28 3957.65,5864.19 3957.65,6092.48 4364.44,6499.27 4739.34,6499.27 4981.93,6741.86 v1(4981.93,6881.89)
  Power Layer 10 w6.88: v1(3355.91,3889.33) 3389.13,3889.33 3421.54,3856.92 3467.93,3856.92 3599.7,3725.15 3599.7,3418.97 3568.64,3387.91 v1(3543.94,3387.91)